# Altium PCB IoT_Greenhouse V1.0 A.PcbDoc (continued)
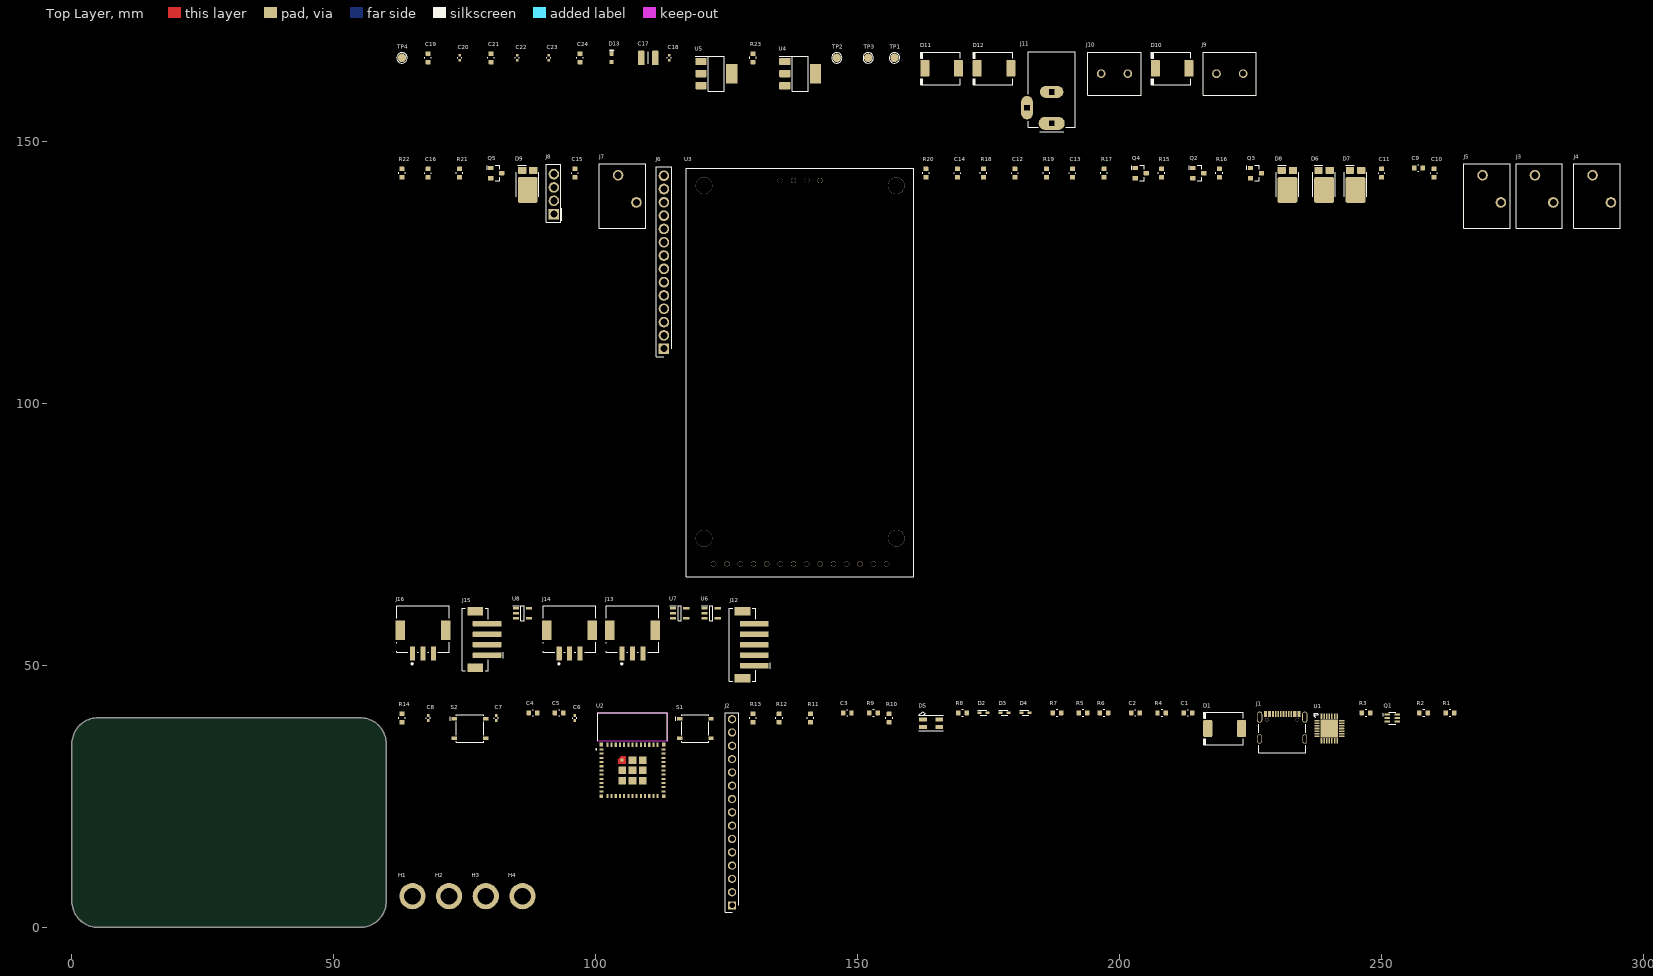
[diagram p0: Top Layer view]
## Part data (continued)
Q1: library part TRANS_BIPOLAR_NPN_BC847BDW1T1G, "ON Semi BC847BDW1T1G Dual NPN Bipolar Transistor; 0.1 A; 45 V; 6-Pin SC-88", Case/Package=SOT-363-6, Collector Base Voltage (VCBO)=50V, Collector Emitter Breakdown Voltage=45V, Collector Emitter Saturation Voltage=600mV, Current Rating=100mA, Emitter Base Voltage (VEBO)=6V, Frequency=100MHz, Manufacturer="ON Semiconductor", Max Operating Temperature=150°C, Max Power Dissipation=380mW, Min Operating Temperature=-55°C, Package Quantity=3000, Supplier Part Number 1=BC847BDW1T1GOSCT-ND, Category=BJTs, Collector Emitter Voltage (VCEO)=45V, Collector-emitter Voltage-Max=600mV, ComponentLink1Description=https://datasheet.ciiva.com/15138/getdatasheetpartid-32925-15138586.pdf?src-supplier=Verical, ComponentLink1URL=https://datasheet.ciiva.com/15138/getdatasheetpartid-32925-15138586.pdf?src-supplier=Verical, ComponentLink2Description=https://datasheet.ciiva.com/34303/2012187-34303831.pdf?src-supplier=Jameco, ComponentLink2URL=https://datasheet.ciiva.com/34303/2012187-34303831.pdf?src-supplier=Jameco, ComponentLink3Description=https://datasheet.ciiva.com/968/bc846bdw1t1-d-968805.pdf?src-supplier=Digikey, ComponentLink3URL=https://datasheet.ciiva.com/968/bc846bdw1t1-d-968805.pdf?src-supplier=Digikey, ComponentLink4Description=https://datasheet.ciiva.com/968/bc846bdw1t1-d-968806.pdf?src-supplier=Digikey, ComponentLink4URL=https://datasheet.ciiva.com/968/bc846bdw1t1-d-968806.pdf?src-supplier=Digikey, ComponentLink5Description=https://datasheet.ciiva.com/968/bc846bdw1t1-d-968807.pdf?src-supplier=Digikey, ComponentLink5URL=https://datasheet.ciiva.com/968/bc846bdw1t1-d-968807.pdf?src-supplier=Digikey, ComponentLink6Description=https://datasheet.ciiva.com/1215/bc846bdw1t1-d-1215105.pdf?src-supplier=Farnell, ComponentLink6URL=https://datasheet.ciiva.com/1215/bc846bdw1t1-d-1215105.pdf?src-supplier=Farnell, ComponentLink7Description=https://datasheet.ciiva.com/22653/1708249-22653900.pdf?src-supplier=Element14, ComponentLink7URL=https://datasheet.ciiva.com/22653/1708249-22653900.pdf?src-supplier=Element14, ComponentLink8Description=https://datasheet.ciiva.com/16201/bc846bdw1t1-d-16201675.pdf?src-supplier=Future+Electronics, ComponentLink8URL=https://datasheet.ciiva.com/16201/bc846bdw1t1-d-16201675.pdf?src-supplier=Future+Electronics, Contact Plating=Tin,Matte, Gain Bandwidth Product=100MHz, Halogen Free="Halogen Free", Height=0.9mm, hFE Min=200, Lead Free="Lead Free", Length=2mm, Manufacturer Part Number=BC847BDW1T1G, Max Breakdown Voltage=45V, Max Collector Current=100mA, Max Frequency=100MHz, Number of Elements=2, Number of Pins=6, Packaging="Tape and Reel", Polarity=NPN, Power Dissipation=380mW, Pricing 1="1=0.22, 10=0.149, 100=0.0729, 500=0.06078, 1000=0.04224 (USD)", Radiation Hardening=No, Reach SVHC Compliant=No, RoHS=Yes, RoHS Compliant=Yes, Series=-, Stock 1=35041, Supplier 1=Digikey, Transition Frequency=100MHz, Voltage Rating (DC)=45V, Width=1.25mm
Q2 Q3 Q4 Q5: library part TRANS_FET_CH_N_20V_6.5A_DMG6968U-7, "Trans Mosfet N-ch 20V 6.5A 3-PIN SOT-23 T/r Trans Mosfet N-ch 20V 6.5A 3-PIN SOT-23 T/r", Case/Package=SOT-23-3, Continuous Drain Current (ID)=6.5A, Drain to Source Resistance=25mR, Drain to Source Voltage (Vdss)=20V, Drain-source On Resistance-Max=36mR, Gate to Source Voltage (Vgs)=12V, Input Capacitance=151pF, Manufacturer=Diodes, Max Operating Temperature=150°C, Max Power Dissipation=1.3W, Min Operating Temperature=-55°C, Package Quantity=1, Supplier Part Number 1=DMG6968UDICT-ND, Threshold Voltage=500mV, Category=MOSFETs, ComponentLink1Description=https://datasheet.ciiva.com/5774/ds31738-5774992.pdf?src-supplier=Farnell, ComponentLink1URL=https://datasheet.ciiva.com/5774/ds31738-5774992.pdf?src-supplier=Farnell, ComponentLink2Description=https://datasheet.ciiva.com/22712/1915638-22712395.pdf?src-supplier=Element14, ComponentLink2URL=https://datasheet.ciiva.com/22712/1915638-22712395.pdf?src-supplier=Element14, Fall Time=205ns, Height=1mm, Lead Free="Lead Free", Length=2.9mm, Manufacturer Part Number=DMG6968U-7, Mount="Surface Mount", Nominal Vgs=500mV, Number of Channels=1, Number of Pins=3, Packaging="Tape and Reel", Polarity=N-CHANNEL, Pricing 1="1=0.37, 10=0.289, 100=0.1732, 500=0.16034, 1000=0.10903 (USD)", Radiation Hardening=No, Rds On Max=25mR, Reach SVHC Compliant=No, Rise Time=66ns, RoHS=Yes, RoHS Compliant=Yes, Series=-, Stock 1=575891, Supplier 1=Digikey, Turn-Off Delay Time=613ns, Turn-On Delay Time=54ns, Weight=0.000282oz, Width=1.3mm
R1 R2 R7: library part RES_0R_1%_100mW_0603, "RC Series 0603 0.1 W 0 Ohm Jumper Surface Mount Thick Film Chip Resistor", Case Code (Imperial)=0603, Case Code (Metric)=1608, Current Rating=1A, Manufacturer=Yageo, Max Operating Temperature=155°C, Max Power Dissipation=100mW, Min Operating Temperature=-55°C, Package Quantity=5000, Resistance=0R, Resistance Tolerance=1%, Resistor Type="Thick Film", Supplier Part Number 1=311-0.0HRCT-ND, Temperature Coefficient=200ppm/°C, Voltage Rating=50V, Working Voltage=75V, Case/Package=0603, Category="Chip SMD Resistors", ComponentLink1Description=https://datasheet.ciiva.com/11808/0900766b80f96399-11808172.pdf?src-supplier=Rs, ComponentLink1URL=https://datasheet.ciiva.com/11808/0900766b80f96399-11808172.pdf?src-supplier=Rs, ComponentLink2Description=https://datasheet.ciiva.com/5684/443971-5684699.pdf?src-supplier=Farnell, ComponentLink2URL=https://datasheet.ciiva.com/5684/443971-5684699.pdf?src-supplier=Farnell, ComponentLink3Description=https://datasheet.ciiva.com/7983/443971-7983627.pdf?src-supplier=Element14, ComponentLink3URL=https://datasheet.ciiva.com/7983/443971-7983627.pdf?src-supplier=Element14, ComponentLink4Description=https://datasheet.ciiva.com/22643/1868787-22643388.pdf?src-supplier=Element14, ComponentLink4URL=https://datasheet.ciiva.com/22643/1868787-22643388.pdf?src-supplier=Element14, ComponentLink5Description=https://datasheet.ciiva.com/46382/443971-46382072.pdf?src-supplier=Element14, ComponentLink5URL=https://datasheet.ciiva.com/46382/443971-46382072.pdf?src-supplier=Element14, ComponentLink6Description=https://datasheet.ciiva.com/29721/pyu-r-int-thick-7-29721178.pdf?src-supplier=Digi-Key, ComponentLink6URL=https://datasheet.ciiva.com/29721/pyu-r-int-thick-7-29721178.pdf?src-supplier=Digi-Key, ComponentLink7Description=https://datasheet.ciiva.com/29721/pyu-rc0603-51-rohs-l-4-29721179.pdf?src-supplier=Digi-Key, ComponentLink7URL=https://datasheet.ciiva.com/29721/pyu-rc0603-51-rohs-l-4-29721179.pdf?src-supplier=Digi-Key, ComponentLink8Description=https://datasheet.ciiva.com/5558/rc0603-272842-5558341.pdf?src-supplier=Mouser, ComponentLink8URL=https://datasheet.ciiva.com/5558/rc0603-272842-5558341.pdf?src-supplier=Mouser, Construction=Rectangular, Contact Plating=Tin,Matte, Depth=0.8mm, Features="Moisture Resistant", Height=0.45mm, Lead Free="Lead Free", Length=1.6mm, Manufacturer Part Number=RC0603FR-070RL, Military Standard=Not, Number of Pins=2, Number of Terminations=2, Packaging="Tape and Reel", Power Rating=100mW, Pricing 1="1=0.10000, 10=0.01800, 25=0.01320, 50=0.01000, 100=0.00730, 250=0.00560, 500=0.00448, 1000=0.00329 (USD)", Radiation Hardening=No, Reach SVHC Compliant=Yes, RoHS=Yes, RoHS Compliant=Yes, Series=RC, Stock 1=2843917, Supplier 1=Digi-Key, Technology="THICK FILM", Termination=SMD/SMT, Tolerance=1%, Voltage Rating (DC)=50V, Width=0.8mm
R3 R4 R8 R12 R13 R14: library part RES_10K_1%_100mW_0603, "Chip Resistor Automotive Grade Thick Film 0603 10kOhm 1% Paper T/R", Case Code (Imperial)=0603, Case Code (Metric)=1608, Manufacturer=Yageo, Max Operating Temperature=155°C, Min Operating Temperature=-55°C, Power Rating=100mW, Resistance=10K, Supplier Part Number 1=13-AC0603FR-1010KLCT-ND, Temperature Coefficient=100ppm/°C, Tolerance=1%, Voltage Rating=50V, Case/Package=0603, Category="Chip SMD Resistors", ComponentLink1Description=http://www.mouser.com/ds/2/447/yageodocoutput-1111992.pdf?src-supplier=Mouser, ComponentLink1URL=http://www.mouser.com/ds/2/447/yageodocoutput-1111992.pdf?src-supplier=Mouser, Height=0.45mm, Length=1.6mm, Manufacturer Part Number=AC0603FR-1010KL, Packaging="Tape and Reel", Pricing 1="1=0.10000, 10=0.02500, 100=0.01030, 1000=0.00463, 2500=0.00402, 5000=0.00332 (USD)", RoHS=Yes, RoHS Compliant=Yes, Series=AC, Stock 1=172891, Supplier 1=Digi-Key, Supplier 2=Newark, Supplier 3=Avnet, Supplier Part Number 2=49AK0662, Supplier Part Number 3=49AK0662, Termination=SMD/SMT, Weight=7.1E-05oz, Width=0.8mm
R5 R6: library part RES_5.1K_1%_100mW_0603, "SMD Chip Resistor, 5.1 kOhm, ± 1%, 100 mW, 0603 [1608 Metric], Thick Film, General Purpose", Case Code (Imperial)=0603, Case Code (Metric)=1608, Manufacturer=Yageo, Max Operating Temperature=155°C, Max Power Dissipation=100mW, Min Operating Temperature=-55°C, Package Quantity=1, Resistance=5.1K, Resistance Tolerance=1%, Resistor Type="Thick Film", Supplier Part Number 1=311-5.10KHRCT-ND, Temperature Coefficient=100ppm/°C, Voltage Rating=50V, Case/Package=0603, Category="Chip SMD Resistors", ComponentLink1Description=https://datasheet.ciiva.com/15189/getdatasheetpartid-326732-15189786.pdf?src-supplier=Verical, ComponentLink1URL=https://datasheet.ciiva.com/15189/getdatasheetpartid-326732-15189786.pdf?src-supplier=Verical, ComponentLink2Description=https://datasheet.ciiva.com/46395/443971-46395016.pdf?src-supplier=Element14, ComponentLink2URL=https://datasheet.ciiva.com/46395/443971-46395016.pdf?src-supplier=Element14, ComponentLink3Description=https://datasheet.ciiva.com/2454/pyu-r-int-thick-7-2454045.pdf?src-supplier=Digi-Key, ComponentLink3URL=https://datasheet.ciiva.com/2454/pyu-r-int-thick-7-2454045.pdf?src-supplier=Digi-Key, ComponentLink4Description=https://datasheet.ciiva.com/2454/pyu-r-int-thick-7-2454046.pdf?src-supplier=Digi-Key, ComponentLink4URL=https://datasheet.ciiva.com/2454/pyu-r-int-thick-7-2454046.pdf?src-supplier=Digi-Key, ComponentLink5Description=https://datasheet.ciiva.com/2454/pyu-r-int-thick-7-2454047.pdf?src-supplier=Digi-Key, ComponentLink5URL=https://datasheet.ciiva.com/2454/pyu-r-int-thick-7-2454047.pdf?src-supplier=Digi-Key, Construction=Rectangular, Depth=0.8mm, Features="Moisture Resistant", Height=0.022inch, Lead Free="Lead Free", Length=0.063inch, Manufacturer Part Number=RC0603FR-075K1L, Military Standard=Not, Number of Pins=2, Number of Terminations=2, Packaging="Tape and Reel", Power Rating=100mW, Pricing 1="1=0.1, 10=0.018, 50=0.0106, 100=0.0088, 500=0.00592, 1000=0.00505 (USD)", Reach SVHC Compliant=No, RoHS=Yes, RoHS Compliant=Yes, Series=RC, Size Code=0603, Stock 1=3197702, Supplier 1=Digi-Key, Termination=SMD/SMT, Tolerance=1%, Voltage Rating (DC)=50V, Width=0.031inch
R9: library part RES_22.1K_1%_100mW_0603, "SMD Chip Resistor, 22.1 kOhm, ± 1%, 100 mW, 0603 [1608 Metric], Thick Film, General Purpose", Case Code (Imperial)=0603, Case Code (Metric)=1608, Manufacturer=Yageo, Max Operating Temperature=155°C, Max Power Dissipation=100mW, Min Operating Temperature=-55°C, Package Quantity=5000, Resistance=22.1K, Supplier Part Number 1=311-22.1KHRCT-ND, Temperature Coefficient=100ppm/°C, Tolerance=1%, Voltage Rating=50V, Case/Package=0603, Category="Chip SMD Resistors", ComponentLink1Description=https://datasheet.ciiva.com/12555/rc0603-272842-12555287.pdf?src-supplier=Mouser, ComponentLink1URL=https://datasheet.ciiva.com/12555/rc0603-272842-12555287.pdf?src-supplier=Mouser, Features="Moisture Resistant", Height=0.45mm, Lead Free=5697LeadFree, Length=1.6mm, Manufacturer Part Number=RC0603FR-0722K1L, Number of Terminations=2, Packaging="Tape and Reel", Power Rating=100mW, Pricing 1="1=0.1, 10=0.019, 50=0.0112, 100=0.0093, 500=0.00622, 1000=0.00532 (USD)", RoHS=Yes, RoHS Compliant=Yes, Series=RC, Size Code=0603, Stock 1=270995, Supplier 1=Digikey, Termination=SMD/SMT, Voltage Rating (DC)=50V, Width=0.8mm
R10 R23: library part RES_1K_1%_100mW_0603, "Chip Resistor Automotive Grade Thick Film 0603 1kOhm 1% Paper T/R", Case Code (Imperial)=0603, Case Code (Metric)=1608, Manufacturer=Yageo, Max Operating Temperature=155°C, Min Operating Temperature=-55°C, Power Rating=100mW, Resistance=1K, Supplier Part Number 1=13-AC0603FR-101KLDKR-ND, Temperature Coefficient=100ppm/°C, Tolerance=1%, Voltage Rating=50V, Case/Package=0603, Category="Chip SMD Resistors", ComponentLink1Description=http://www.mouser.com/ds/2/447/yageodocoutput-1111992.pdf?src-supplier=Mouser, ComponentLink1URL=http://www.mouser.com/ds/2/447/yageodocoutput-1111992.pdf?src-supplier=Mouser, Height=0.45mm, Length=1.6mm, Manufacturer Part Number=AC0603FR-101KL, Packaging="Tape and Reel", Pricing 1="1=0.10000, 10=0.02500, 100=0.01030, 1000=0.00463, 2500=0.00402, 5000=0.00332 (USD)", RoHS=Yes, RoHS Compliant=Yes, Series=AC, Stock 1=108593, Supplier 1=Digi-Key, Supplier 2=Newark, Supplier 3=Mouser, Supplier Part Number 2=31AK9289, Supplier Part Number 3=603-AC0603FR-101KL, Termination=SMD/SMT, Width=0.8mm
R11: library part RES_47.5K_1%_100mW_0603, "SMD Chip Resistor, 47.5 kOhm, ± 1%, 100 mW, 0603 [1608 Metric], Thick Film, General Purpose", Case Code (Imperial)=0603, Case Code (Metric)=1608, Manufacturer=Yageo, Max Operating Temperature=155°C, Max Power Dissipation=100mW, Min Operating Temperature=-55°C, Ratings=AEC-Q200, Resistance=47.5K, Supplier Part Number 1=YAG5340CT-ND, Temperature Coefficient=100ppm/°C, Tolerance=1%, Voltage Rating=50V, Case/Package=0603, Category="Chip SMD Resistors", ComponentLink1Description=http://www.mouser.com/ds/2/447/yageodocoutput-1111992.pdf?src-supplier=Mouser, ComponentLink1URL=http://www.mouser.com/ds/2/447/yageodocoutput-1111992.pdf?src-supplier=Mouser, ComponentLink2Description=https://www.yageo.com/upload/media/product/productsearch/datasheet/rchip/PYu-AC_51_RoHS_L_7.pdf?src-supplier=Digikey, ComponentLink2URL=https://www.yageo.com/upload/media/product/productsearch/datasheet/rchip/PYu-AC_51_RoHS_L_7.pdf?src-supplier=Digikey, ComponentLink3Description=http://www.yageo.com/NewPortal/yageodocoutput?fileName=/pdf/R-Chip/PYu-AC_51_RoHS_L_6.pdf&src-supplier=Digikey, ComponentLink3URL=http://www.yageo.com/NewPortal/yageodocoutput?fileName=/pdf/R-Chip/PYu-AC_51_RoHS_L_6.pdf&src-supplier=Digikey, ComponentLink4Description=http://www.yageo.com/NewPortal/yageodocoutput?fileName=/pdf/R-Chip/PYu-AC_51_RoHS_L_5.pdf&src-supplier=Digikey, ComponentLink4URL=http://www.yageo.com/NewPortal/yageodocoutput?fileName=/pdf/R-Chip/PYu-AC_51_RoHS_L_5.pdf&src-supplier=Digikey, Features="Moisture Resistant,Automotive AEC-Q200", Height=0.022inch, Length=0.063inch, Manufacturer Part Number=AC0603FR-0747K5L, Number of Terminations=2, Packaging="Tape and Reel", Power Rating=100mW, Pricing 1="1=0.1, 10=0.021, 50=0.013, 100=0.0108, 500=0.00734, 1000=0.00633 (USD)", RoHS=Yes, RoHS Compliant=Yes, Series=AC, Stock 1=18567, Supplier 1=Digikey, Termination=SMD/SMT, Width=0.8mm
R15 R16 R17 R21: library part RES_10R_5%_100mW_0603, "SMD Chip Resistor, 10 Ohm, ± 5%, 100 mW, 0603 [1608 Metric], Thick Film, General Purpose", Case Code (Imperial)=0603, Case Code (Metric)=1608, Manufacturer=Yageo, Max Operating Temperature=155°C, Max Power Dissipation=100mW, Min Operating Temperature=-55°C, Resistance=10R, Resistance Tolerance=5%, Resistor Type="Thick Film", Supplier Part Number 1=311-10GRCT-ND, Temperature Coefficient=200ppm/°C, Voltage Rating=50V, Case/Package=0603, Category="Chip SMD Resistors", ComponentLink1Description=https://datasheet.ciiva.com/46395/443971-46395069.pdf?src-supplier=Element14, ComponentLink1URL=https://datasheet.ciiva.com/46395/443971-46395069.pdf?src-supplier=Element14, ComponentLink2Description=https://datasheet.ciiva.com/7746/443971-7746431.pdf?src-supplier=Element14, ComponentLink2URL=https://datasheet.ciiva.com/7746/443971-7746431.pdf?src-supplier=Element14, Construction=Rectangular, Depth=0.8mm, Features="Moisture Resistant", Lead Free="Lead Free", Length=1.6mm, Manufacturer Part Number=RC0603JR-0710RL, Military Standard=Not, Number of Pins=2, Number of Terminations=2, Packaging="Tape and Reel", Power Rating=100mW, Pricing 1="1=0.1, 10=0.024, 50=0.0154, 100=0.013, 500=0.00894, 1000=0.00773 (USD)", Reach SVHC Compliant=No, RoHS=Yes, RoHS Compliant=Yes, Series=RC, Size Code=0603, Stock 1=769777, Supplier 1=Digi-Key, Termination=SMD/SMT, Tolerance=5%, Voltage Rating (DC)=50V, Width=0.8mm
R18 R19 R20 R22: library part RES_100K_1%_100mW_0603, "RES SMD 100K OHM 1% 1/10W 0603", Case Code (Imperial)=0603, Case Code (Metric)=1608, Manufacturer=Yageo, Max Operating Temperature=155°C, Max Power Dissipation=100mW, Min Operating Temperature=-55°C, Resistance=100K, Resistance Tolerance=1%, Resistor Type="Thick Film", Supplier Part Number 1=311-100KHRDKR-ND, Temperature Coefficient=100ppm/°C, Voltage Rating=50V, Working Voltage=75V, Case/Package=0603, Category="Chip SMD Resistors", ComponentLink1Description=https://datasheet.ciiva.com/11808/0900766b80f96399-11808107.pdf?src-supplier=Rs, ComponentLink1URL=https://datasheet.ciiva.com/11808/0900766b80f96399-11808107.pdf?src-supplier=Rs, ComponentLink2Description=https://datasheet.ciiva.com/7983/443971-7983593.pdf?src-supplier=Element14, ComponentLink2URL=https://datasheet.ciiva.com/7983/443971-7983593.pdf?src-supplier=Element14, ComponentLink3Description=https://datasheet.ciiva.com/22747/443971-22747516.pdf?src-supplier=Element14, ComponentLink3URL=https://datasheet.ciiva.com/22747/443971-22747516.pdf?src-supplier=Element14, ComponentLink4Description=https://datasheet.ciiva.com/46440/1868787-46440889.pdf?src-supplier=Element14, ComponentLink4URL=https://datasheet.ciiva.com/46440/1868787-46440889.pdf?src-supplier=Element14, ComponentLink5Description=https://datasheet.ciiva.com/7746/1738695-7746235.pdf?src-supplier=Element14, ComponentLink5URL=https://datasheet.ciiva.com/7746/1738695-7746235.pdf?src-supplier=Element14, ComponentLink6Description=https://datasheet.ciiva.com/7746/1738695-7746234.pdf?src-supplier=Element14, ComponentLink6URL=https://datasheet.ciiva.com/7746/1738695-7746234.pdf?src-supplier=Element14, Construction=Rectangular, Depth=0.8mm, Features="Moisture Resistant", Height=0.45mm, Lead Free="Lead Free", Length=1.6mm, Manufacturer Part Number=RC0603FR-07100KL, Military Standard=Not, Number of Pins=2, Number of Terminations=2, Packaging="Tape and Reel", Power Rating=100mW, Pricing 1="1=0.10000, 10=0.01900, 100=0.00770, 1000=0.00345, 2500=0.00300 (USD)", Reach SVHC Compliant=Yes, RoHS=Yes, RoHS Compliant=Yes, Series=RC, Stock 1=11038732, Supplier 1=Digi-Key, Technology="THICK FILM", Termination=SMD/SMT, Tolerance=1%, Voltage Rating (DC)=50V, Width=0.8mm
S1 S2: library part SWITCH_NO_SPST_0.05A, "Switch Tactile N.O. SPST Round Button Gull Wing 0.05A 12VDC 200000Cycles 2.55N SMD T/R", Manufacturer="ITT C&K", Supplier Part Number 1=CKN12221-6-ND, Category=Uncategorized, Manufacturer Part Number=PTS526SK15SMTR2LFS, Pricing 1="1=0.12, 10=0.12, 25=0.114, 100=0.1035, 250=0.09732, 500=0.08904, 1000=0.07454 (USD)", RoHS=No, Stock 1=382158, Supplier 1=Digi-Key
TP1 TP2 TP3 TP4: library part TP_PAD_SMD_Round, "Test Point, SMD pad, round, 1.5mm, 1.6mm, 3mm diameter"
U1: library part IC_BRIDGE_UART_CP2102N-A02-GQFN28R, "Full Speed USB to UART Bridge USB 2.0 3.3V T/R Automotive 28-Pin QFN EP", Case/Package=QFN, Manufacturer="Silicon Labs", Max Operating Temperature=85°C, Min Operating Temperature=-40°C, Operating Supply Current=9.5mA, Supplier Part Number 1=336-5890-1-ND, Category="USB Interface ICs", ComponentLink1Description=https://www.silabs.com/documents/public/data-sheets/cp2102n-datasheet.pdf?src-supplier=Digikey, ComponentLink1URL=https://www.silabs.com/documents/public/data-sheets/cp2102n-datasheet.pdf?src-supplier=Digikey, ComponentLink2Description=https://4donline.ihs.com/images/VipMasterIC/IC/SILC/SILC-S-A0007770867/SILC-S-A0007770867-1.pdf?hkey=6D3A4C79FDBF58556ACFDE234799DDF0&src-supplier=Farnell, ComponentLink2URL=https://4donline.ihs.com/images/VipMasterIC/IC/SILC/SILC-S-A0007770867/SILC-S-A0007770867-1.pdf?hkey=6D3A4C79FDBF58556ACFDE234799DDF0&src-supplier=Farnell, Interface=UART, Manufacturer Part Number=CP2102N-A02-GQFN28R, Packaging="Cut Tape", Pricing 1="1=4.66, 10=4.183, 25=3.954, 100=3.4269, 250=3.2512, 500=2.91728 (USD)", RoHS=Yes, Series=USBXpress™, Stock 1=29620, Supplier 1=Digikey
U2: library part IC_MODULE_ESP32-C3-MINI-1-N4, "Multiprotocol Modules SMD module, ESP32-C3FN4, PCB antenna, -40 C +85 C", Manufacturer="Espressif Systems", Supplier Part Number 1=1965-ESP32-C3-MINI-1-N4CT-ND, Category=LDO, ComponentLink1Description=https://datasheet.octopart.com/ESP32-C3-MINI-1-N4-Espressif-Systems-datasheet-165560559.pdf?src-supplier=TME, ComponentLink1URL=https://datasheet.octopart.com/ESP32-C3-MINI-1-N4-Espressif-Systems-datasheet-165560559.pdf?src-supplier=TME, ComponentLink2Description=https://datasheet.octopart.com/ESP32-C3-MINI-1-N4-Espressif-Systems-datasheet-154717747.pdf?src-supplier=SOS+electronic, ComponentLink2URL=https://datasheet.octopart.com/ESP32-C3-MINI-1-N4-Espressif-Systems-datasheet-154717747.pdf?src-supplier=SOS+electronic, Manufacturer Part Number=ESP32-C3-MINI-1-N4, Pricing 1="1=1.8 (USD)", RoHS=No, Stock 1=26373, Supplier 1=Digikey
U3: library part "MODULE_TFT_2.4\"", "Display Lcd 2.4 Pol 240x320 Micro Sd Touch Screen"
U4: library part IC_REG_LDO_3.3V_1A_AP2114H-3.3TRG1, "IC REG LDO 3.3V 1A SOT223", Manufacturer=Diodes, Supplier Part Number 1=AP2114H-3.3TRG1DICT-ND, Category="Voltage Regulators - Linear", ComponentLink1Description=https://datasheet.ciiva.com/29569/ap2114-29569881.pdf?src-supplier=Digikey, ComponentLink1URL=https://datasheet.ciiva.com/29569/ap2114-29569881.pdf?src-supplier=Digikey, ComponentLink2Description=https://datasheet.ciiva.com/29569/ap2114-29569882.pdf?src-supplier=Digikey, ComponentLink2URL=https://datasheet.ciiva.com/29569/ap2114-29569882.pdf?src-supplier=Digikey, ComponentLink3Description=https://datasheet.ciiva.com/29569/ap2114-29569883.pdf?src-supplier=Digikey, ComponentLink3URL=https://datasheet.ciiva.com/29569/ap2114-29569883.pdf?src-supplier=Digikey, Manufacturer Part Number=AP2114H-3.3TRG1, Pricing 1="1=0.41, 10=0.332, 25=0.304, 100=0.2262, 250=0.20504, 500=0.16968, 1000=0.12726 (USD)", RoHS=Yes, Stock 1=34610, Supplier 1=Digikey
U5: library part IC_REG_LDO_5V_1A_AZ1117IH-5.0TRG1, "LDO Regulator Pos 5V 1A 3-Pin SOT-223 T/R", Case/Package=TO-261-4, Dropout Voltage=1.2V, Manufacturer=Diodes, Max Operating Temperature=125°C, Min Current Limit=1A, Min Operating Temperature=-40°C, Output Current=800mA, Output Voltage=5V, Supplier Part Number 1=AZ1117IH-5.0TRG1DIDKR-ND, Category="Voltage Regulators - Linear", ComponentLink1Description=https://www.diodes.com/assets/Datasheets/AZ1117I.pdf?src-supplier=Digi-Key, ComponentLink1URL=https://www.diodes.com/assets/Datasheets/AZ1117I.pdf?src-supplier=Digi-Key, Manufacturer Part Number=AZ1117IH-5.0TRG1, Mount="Surface Mount", Number of Regulators=1, Packaging="Tape and Reel", Pricing 1="1=0.40000, 10=0.32100, 25=0.29360, 100=0.21840, 250=0.19796, 500=0.16384, 1000=0.12288 (USD)", RoHS=Yes, RoHS Compliant=Yes, Stock 1=138078, Supplier 1=Digi-Key
U6 U7 U8: library part IC_AMP_OP_TLV2371IDBVT, "Single 550-uA/channel, 3MHz, RRIO op amp 5-SOT-23 -40 to 125", Case/Package=SOT-23, Dual Supply Voltage=5V, Input Bias Current=60pA, Input Offset Voltage (Vos)=4.5mV, Manufacturer="Texas Instruments", Max Dual Supply Voltage=8V, Max Operating Temperature=125°C, Max Supply Voltage=16V, Min Dual Supply Voltage=1.35V, Min Operating Temperature=-40°C, Min Supply Voltage=2.7V, Operating Supply Current=750uA, Output Current=16mA, Package Quantity=1, Power Dissipation=385mW, Power Supply Rejection Ratio (PSRR)=70dB, Supplier Part Number 1=296-26785-6-ND, Supply Current=900uA, Voltage Gain=110dB, Amplifier Type="GENERAL PURPOSE", Bandwidth=3MHz, Category="Amplifiers - Op Amps, Buffer, Instrumentation", Common Mode Rejection Ratio=50dB, ComponentLink1Description=https://datasheet.ciiva.com/34301/1096243-34301979.pdf?src-supplier=Jameco, ComponentLink1URL=https://datasheet.ciiva.com/34301/1096243-34301979.pdf?src-supplier=Jameco, ComponentLink2Description=https://datasheet.ciiva.com/1813/tlv2370-1813657.pdf?src-supplier=Digikey, ComponentLink2URL=https://datasheet.ciiva.com/1813/tlv2370-1813657.pdf?src-supplier=Digikey, ComponentLink3Description=https://datasheet.ciiva.com/1813/tlv2370-1813658.pdf?src-supplier=Digikey, ComponentLink3URL=https://datasheet.ciiva.com/1813/tlv2370-1813658.pdf?src-supplier=Digikey, ComponentLink4Description=https://datasheet.ciiva.com/1813/tlv2370-1813659.pdf?src-supplier=Digikey, ComponentLink4URL=https://datasheet.ciiva.com/1813/tlv2370-1813659.pdf?src-supplier=Digikey, ComponentLink5Description=https://datasheet.ciiva.com/2974/slos270d-2974406.pdf?src-supplier=Avnet, ComponentLink5URL=https://datasheet.ciiva.com/2974/slos270d-2974406.pdf?src-supplier=Avnet, ComponentLink6Description=https://datasheet.ciiva.com/2974/slos270d-2974407.pdf?src-supplier=Avnet, ComponentLink6URL=https://datasheet.ciiva.com/2974/slos270d-2974407.pdf?src-supplier=Avnet, ComponentLink7Description=https://datasheet.ciiva.com/22707/1877122-22707949.pdf?src-supplier=Element14, ComponentLink7URL=https://datasheet.ciiva.com/22707/1877122-22707949.pdf?src-supplier=Element14, ComponentLink8Description=https://datasheet.ciiva.com/46386/1877122-46386527.pdf?src-supplier=Element14, ComponentLink8URL=https://datasheet.ciiva.com/46386/1877122-46386527.pdf?src-supplier=Element14, ComponentLink9Description=https://datasheet.ciiva.com/7848/1877122-7848285.pdf?src-supplier=Element14, ComponentLink9URL=https://datasheet.ciiva.com/7848/1877122-7848285.pdf?src-supplier=Element14, Gain Bandwidth Product=3MHz, Height=1.15mm, Lead Free="Lead Free", Length=2.9mm, Manufacturer Part Number=TLV2371IDBVT, Max I/O Voltage=4.5mV, Nominal Gain Bandwidth Product=3MHz, Number of Amplifiers=1, Number of Channels=1, Number of Circuits=1, Number of Elements=1, Number of Pins=5, Operating Supply Voltage=8V, Output Current per Channel=16mA, Packaging="Tape and Reel", Pricing 1="1=1.65, 10=1.483, 25=1.3988, 100=1.1918 (USD)", Radiation Hardening=No, Reach SVHC Compliant=No, RoHS=Yes, RoHS Compliant=Yes, Series=-, Slew Rate=2.4V/µs, Stock 1=25753, Supplier 1=Digikey, Unity Gain Bandwidth Product=3MHz, Width=1.6mm

## Nets (pads, with @x,y where several pads share a name; then routed paths per layer and width w, separated by ;. In a path a pad name is that pad's centre, name@x,y a point inside that pad or via, vN(x,y) a via of type N, cw(c..) or ccw(c..) an arc to the next point about the centre after c; other vN are vias at no path point)
3V3: C2.2 C5.2 C6.2 C23.2 C24.2 J6.1 J6.8 J12.1 J13.1 J14.1 J15.1 J16.1 R10.2 R13.1 R14.1 R23.1 TP1.1 U1.6 U1.7 U2.3 U3.1 U3.8 U4.2 U6.5 U7.5 U8.5
5V: C1.2 C19.2 C20.2 C21.2 C22.2 D1.1 D5.3 D12.1 TP3.1 U4.3 U5.2
12V: C9.2 C10.2 C11.2 C15.2 C17.2 C18.2 D6.K D7.K D8.K D9.K D10.1 D11.1 J3.1 J4.1 J5.1 J7.1 TP2.1 U5.3
CHIP_PU: C4.2 C8.1 Q1.3 R13.2 S2.3 S2.4 U2.8
DM_N: D2.1 J1.A7 J1.B7 U1.5
DM_P: D3.1 J1.A6 J1.B6 U1.4
DTR: Q1.6 R3.2 U1.28
GND: C1.1 C2.1 C3.1 C4.1 C5.1 C6.1 C7.2 C8.2 C12.1 C13.1 C14.1 C16.1 C17.1 C18.1 C19.1 C20.1 C21.1 C22.1 C23.1 C24.1 D2.2 D3.2 D4.2 D5.1 D13.1 J1.A1_B12 J1.B1_A12 J6.2 J9.2 J10.2 J11.2 J11.3 J12.0 J12.2 J12.5 J13.3 J13.SH J14.3 J14.SH J15.0 J15.2 J16.3 J16.SH R5.1 R6.1 R7.1 R8.2 R11.1 R18.1 R19.1 R20.1 R22.1 S1.1 S1.2 S2.1 S2.2 TP4.1 U1.3 U1.29 U2.1 U2.2 U2.11 U2.14 U2.36 U2.37 U2.38 U2.39 U2.40 U2.41 U2.42 U2.43 U2.44 U2.45 U2.46 U2.47 U2.48 U2.49_1 U2.49_2 U2.49_3 U2.49_4 U2.49_5 U2.49_6 U2.49_7 U2.49_8 U2.49_9 U2.50 U2.51 U2.52 U2.53 U3.2 U4.1 U4.4 U5.1 U5.4 U6.2 U7.2 U8.2
GPIO0_ADC1_0: J2.1 U2.12 U6.1 U6.4
GPIO1_ADC1_1: J2.2 U2.13 U7.1 U7.4
GPIO2_ADC1_2: J2.3 U2.5 U8.1 U8.4
GPIO3: J2.4 J6.4 U2.6 U3.4
GPIO4_SCK: J2.5 J6.7 U2.18 U3.7
GPIO5_MISO: J2.6 J6.9 U2.19 U3.9
GPIO6_MOSI: J2.7 J6.6 U2.20 U3.6
GPIO7_SS: J2.8 J6.3 U2.21 U3.3
GPIO8_SDA: J2.9 J12.4 R12.2 R14.2 U2.22
GPIO9_SCL: C7.1 J2.10 J12.3 Q1.1 S1.3 S1.4 U2.23
GPIO10: J2.11 R15.1 U2.16
GPIO18: J2.12 R16.1 U2.26
GPIO19: J2.13 R17.1 U2.27
NetC3_2: C3.2 R9.2 R11.2 U1.8
NetC9_1: C9.1 D6.A J3.2
NetC10_1: C10.1 D7.A J4.2
NetC11_1: C11.1 D8.A J5.2
NetC12_2: C12.2 R15.2 R18.2
NetC13_2: C13.2 R16.2 R19.2
NetC14_2: C14.2 R17.2 R20.2
NetC15_1: C15.1 D9.A J7.2
NetC16_2: C16.2 R21.2 R22.2
NetD10_2: D10.2 J9.1
NetD11_2: D11.2 J11.1
NetD12_2: D12.2 J10.1
NetD13_2: D13.2 R23.2
NetJ1_A5: J1.A5 R6.2
NetJ1_B5: J1.B5 R5.2
NetJ1_SH1: J1.SH1 J1.SH2 J1.SH3 J1.SH4 R7.2
NetJ6_5: J6.5 U3.5
NetJ6_10: J6.10 U3.10
NetJ6_11: J6.11 U3.11
NetJ6_12: J6.12 U3.12
NetJ6_13: J6.13 U3.13
NetJ6_14: J6.14 U3.14
NetJ8_1: J8.1 U3.15
NetJ8_2: J8.2 U3.16
NetJ8_3: J8.3 U3.17
NetJ8_4: J8.4 U3.18
NetJ13_2: J13.2 U6.3
NetJ14_2: J14.2 U7.3
NetJ16_2: J16.2 U8.3
NetQ1_2: Q1.2 R4.1
NetQ1_5: Q1.5 R3.1
NetR1_2: R1.2 U1.26
NetR2_2: R2.2 U1.25
NetR8_1: R8.1 U1.11
NetR10_1: R10.1 U1.9
RGB_CTRL: D5.2 R12.1
RTS: Q1.4 R4.2 U1.24
UART_RXD: J2.14 R1.1 U2.30
UART_TXD: J2.15 R2.1 U2.31
VBUS: D1.2 D4.1 J1.A4_B9 J1.B4_A9 R9.1
pads on no net: D5.4 H1.1 H2.1 H3.1 H4.1 J1. J1.A8 J1.B8 J15.3 J15.4 Q2.1 Q2.2 Q2.3 Q3.1 Q3.2 Q3.3 Q4.1 Q4.2 Q4.3 Q5.1 Q5.2 Q5.3 R21.1 U1.1 U1.2 U1.10 U1.12 U1.13 U1.14 U1.15 U1.16 U1.17 U1.18 U1.19 U1.20 U1.21 U1.22 U1.23 U1.27 U2.4 U2.7 U2.9 U2.10 U2.15 U2.17 U2.24 U2.25 U2.28 U2.29 U2.32 U2.33 U2.34 U2.35 U3.